# KiCad board kicad.kicad_pcb (continued)
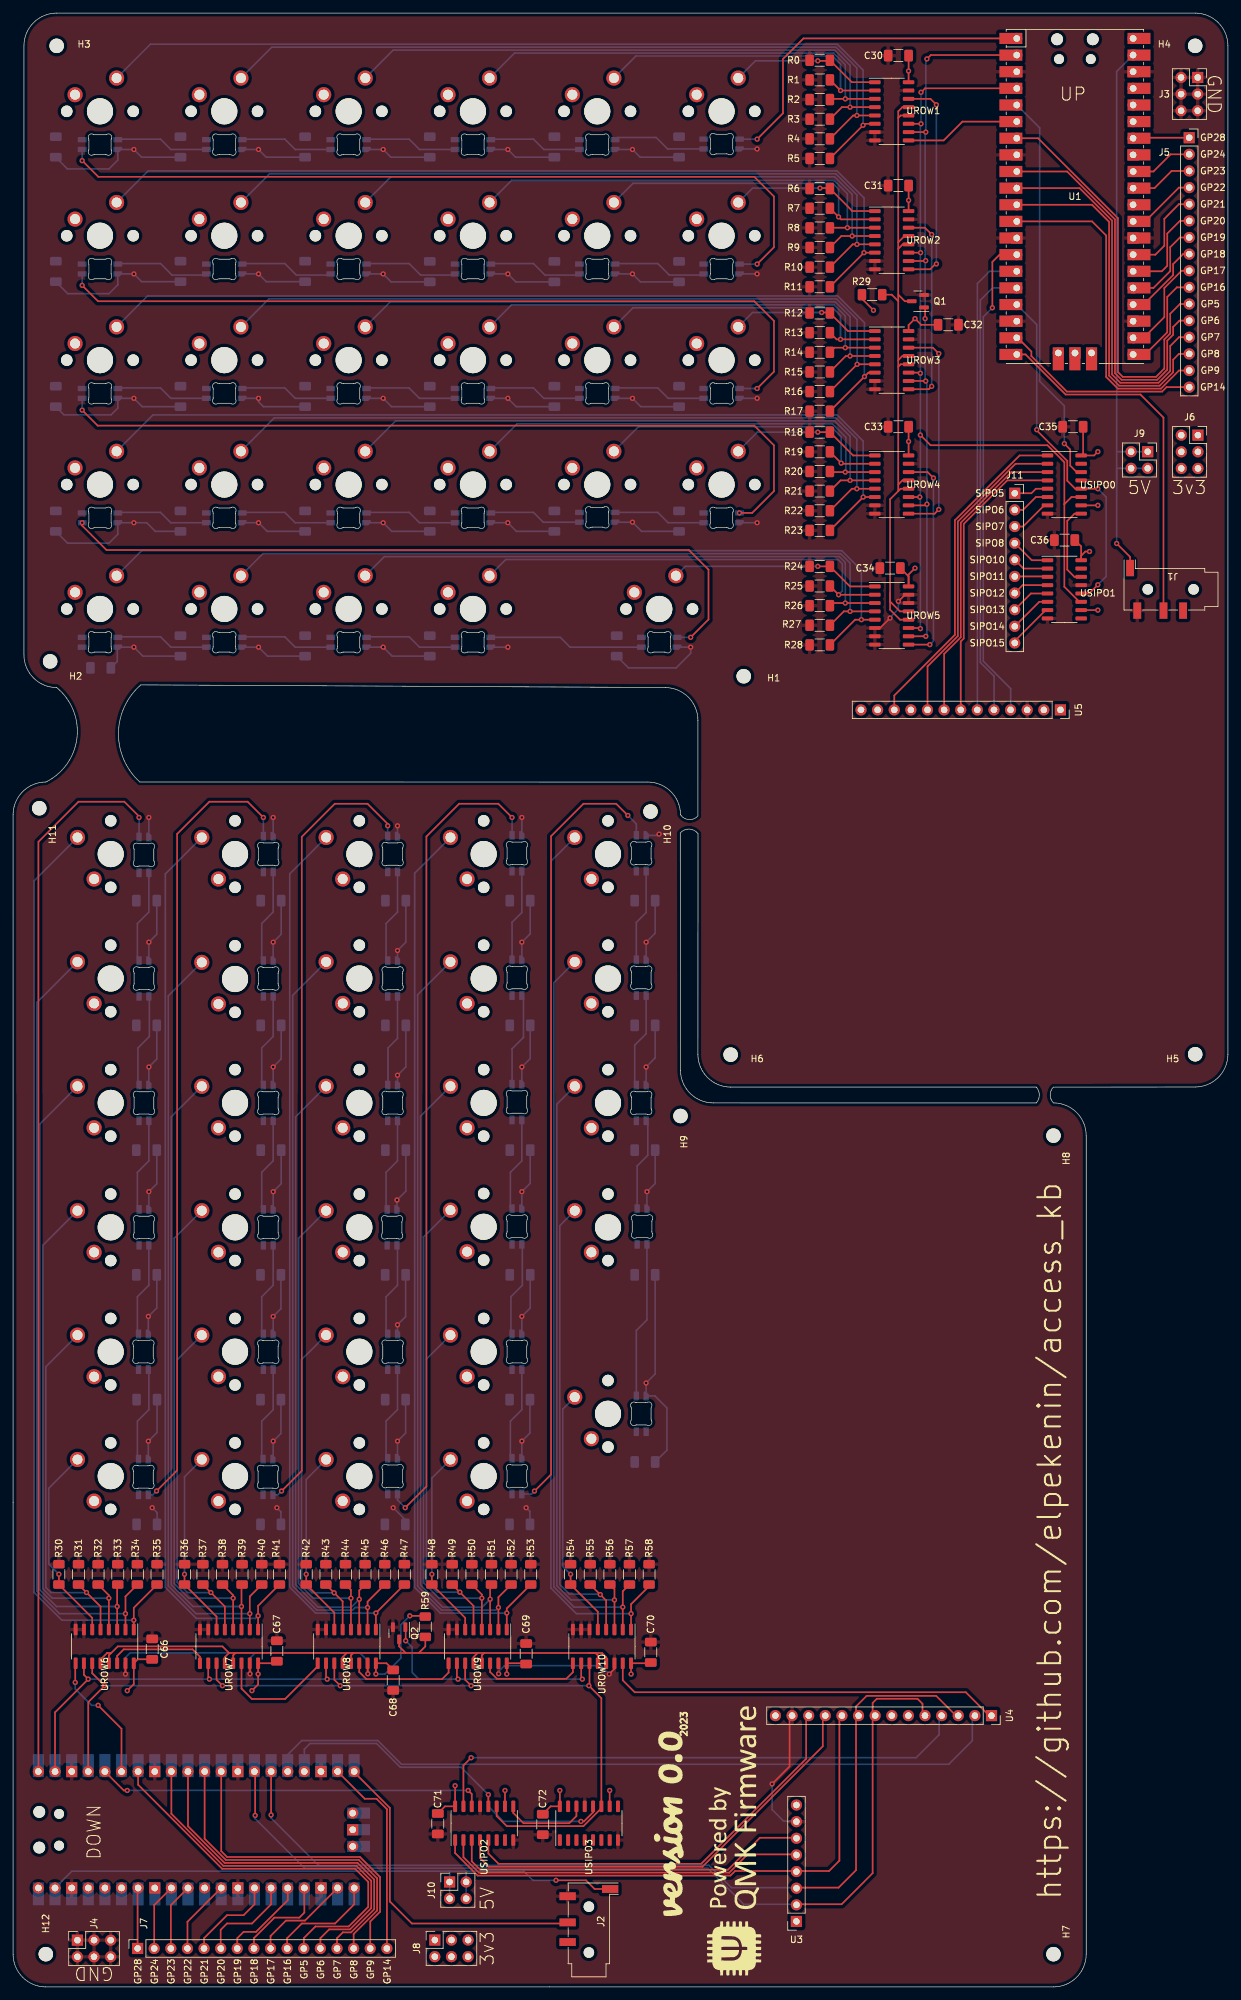
[diagram p0: board, top side]
## Placement (name value [footprint] x y rotation side) (continued)
UROW9  MC74HC589ADR2G  [SO-16_3.9x9.9mm_P1.27mm]  71 52 270 top
UROW10  MC74HC589ADR2G  [SO-16_3.9x9.9mm_P1.27mm]  90 52 270 top
USIPO0  74HC595  [SO-16_3.9x9.9mm_P1.27mm]  160.66 229.43 0 top
USIPO1  74HC595  [SO-16_3.9x9.9mm_P1.27mm]  160.66 213.43 0 top
USIPO2  74HC595  [SO-16_3.9x9.9mm_P1.27mm]  72 25 90 top
USIPO3  74HC595  [SO-16_3.9x9.9mm_P1.27mm]  88 25 90 top

## Library data of the parts
LED0-LED57 = -: Field4: 1
U1 = -: Field4: GND; Field5: GP10; Field6: GP13; Field7: GND; Field8: RUN; Field9: GP28; Field10: GP20; Field11: 3V3; Field12: GP22; Field13: GP21; Field14: ADC_VREF; Field15: GP8; Field16: GP11; Field17: GND; Field18: GP18; Field19: SWCLK; Field20: VSYS; Field21: GP5; Field22: GP3; Field23: SWDIO; Field24: GND; Field25: GP27; Field26: GP19; Field27: 3V3_EN; Field28: AGND; Field29: GP6; Field30: GP4; Field31: GND; Field32: GND; Field33: GP12; Field34: GP0; Field35: GP16; Field36: GP26; Field37: GND; Field38: GP2; Field39: GP9; Field40: GP1; Field41: VBUS; Field42: GP7; Field43: GP17; Field44: GP15; Field45: GP14; Field46: Copper Keepouts shown on Dwgs layer
U2 = -: Field4: SWDIO; Field5: GP20; Field6: GND; Field7: GP14; Field8: GP22; Field9: GP11; Field10: GP6; Field11: GND; Field12: GND; Field13: ADC_VREF; Field14: GP26; Field15: VBUS; Field16: GP27; Field17: 3V3_EN; Field18: GP17; Field19: 3V3; Field20: GP0; Field21: GP7; Field22: GND; Field23: GP2; Field24: GP4; Field25: SWCLK; Field26: GP8; Field27: RUN; Field28: GP21; Field29: GND; Field30: GP1; Field31: GP28; Field32: GP13; Field33: GND; Field34: AGND; Field35: GP18; Field36: GP12; Field37: VSYS; Field38: GP5; Field39: GP10; Field40: GP9; Field41: GP15; Field42: GP16; Field43: GP3; Field44: GND; Field45: GP19; Field46: Copper Keepouts shown on Dwgs layer

## Footprints (pads in the part's own frame, mm; a bottom-side part is the same pattern mirrored in y, then rotated)
C_1206_3216Metric_Pad1.33x1.80mm_HandSolder
  rrect 1.325x1.8 smd: 1(-1.562,0) 2(1.562,0)
Jack_3.5mm_KoreanHropartsElec_PJ-320D-4A_Horizontal
  round 1.6 hole 1.6 unplated: (-4.75,0) (2.25,0)
  rect 1.2x2.5 smd: R1(-0.15,3.25) R2(-3.15,3.25) S(4.95,-3.25) T(3.85,3.25)
LED_MX_6028R
  rrect 1.35x0.82 smd: 1(2.725,0.75) 2(2.725,-0.75) 3(-2.725,0.75) 4(-2.725,-0.75)
MountingHole_2.2mm_M2
  round 2.2 hole 2.2 unplated: (0,0)
MountingHole_2.2mm_M2#2
  round 2.2 hole 2.2 unplated: (0,-0.05)
PinSocket_1x08_P2.54mm_Vertical
  rect 1.7x1.7 hole 1: 1(0,0)
  oval 1.7x1.7 hole 1: 2(0,-2.54) 3(0,-5.08) 4(0,-7.62) 5(0,-10.16) 6(0,-12.7) 7(0,-15.24) 8(0,-17.78)
PinSocket_1x10_P2.54mm_Vertical
  rect 1.7x1.7 hole 1: 1(0,0)
  oval 1.7x1.7 hole 1: 2(0,-2.54) 3(0,-5.08) 4(0,-7.62) 5(0,-10.16) 6(0,-12.7) 7(0,-15.24) 8(0,-17.78) 9(0,-20.32) 10(0,-22.86)
PinSocket_1x13_P2.54mm_Vertical
  rect 1.7x1.7 hole 1: 1(0,0)
  oval 1.7x1.7 hole 1: 2(0,-2.54) 3(0,-5.08) 4(0,-7.62) 5(0,-10.16) 6(0,-12.7) 7(0,-15.24) 8(0,-17.78) 9(0,-20.32) 10(0,-22.86) 11(0,-25.4) 12(0,-27.94) 13(0,-30.48)
PinSocket_1x14_P2.54mm_Vertical
  rect 1.7x1.7 hole 1: 1(0,0)
  oval 1.7x1.7 hole 1: 2(0,-2.54) 3(0,-5.08) 4(0,-7.62) 5(0,-10.16) 6(0,-12.7) 7(0,-15.24) 8(0,-17.78) 9(0,-20.32) 10(0,-22.86) 11(0,-25.4) 12(0,-27.94) 13(0,-30.48) 14(0,-33.02)
PinSocket_1x16_P2.54mm_Vertical
  rect 1.7x1.7 hole 1: 1(0,0)
  oval 1.7x1.7 hole 1: 2(0,-2.54) 3(0,-5.08) 4(0,-7.62) 5(0,-10.16) 6(0,-12.7) 7(0,-15.24) 8(0,-17.78) 9(0,-20.32) 10(0,-22.86) 11(0,-25.4) 12(0,-27.94) 13(0,-30.48) 14(0,-33.02) 15(0,-35.56) 16(0,-38.1)
PinSocket_2x02_P2.54mm_Vertical
  rect 1.7x1.7 hole 1: 1(0,0)
  oval 1.7x1.7 hole 1: 2(-2.54,0) 3(0,-2.54) 4(-2.54,-2.54)
PinSocket_2x03_P2.54mm_Vertical
  rect 1.7x1.7 hole 1: 1(0,0)
  oval 1.7x1.7 hole 1: 2(-2.54,0) 3(0,-2.54) 4(-2.54,-2.54) 5(0,-5.08) 6(-2.54,-5.08)
R_1206_3216Metric_Pad1.30x1.75mm_HandSolder
  rrect 1.3x1.75 smd: 1(-1.55,0) 2(1.55,0)
RPi_Pico_SMD_TH
  oval 1.8x1.8 hole 1.8 unplated: (-2.725,24) (2.725,24)
  oval 1.5x1.5 hole 1.5 unplated: (-2.425,20.97) (2.425,20.97)
  oval 1.7x1.7 hole 1.02: 1(-8.89,24.13) 2(-8.89,21.59) 4(-8.89,16.51) 5(-8.89,13.97) 6(-8.89,11.43) 7(-8.89,8.89) 9(-8.89,3.81) 10(-8.89,1.27) 11(-8.89,-1.27) 12(-8.89,-3.81) 14(-8.89,-8.89) 15(-8.89,-11.43) 16(-8.89,-13.97) 17(-8.89,-16.51) 19(-8.89,-21.59) 20(-8.89,-24.13) 21(8.89,-24.13) 22(8.89,-21.59) 24(8.89,-16.51) 25(8.89,-13.97) 26(8.89,-11.43) 27(8.89,-8.89) 29(8.89,-3.81) 30(8.89,-1.27) 31(8.89,1.27) 32(8.89,3.81) 34(8.89,8.89) 35(8.89,11.43) 36(8.89,13.97) 37(8.89,16.51) 39(8.89,21.59) 40(8.89,24.13) 41(-2.54,-23.9) 43(2.54,-23.9)
  rect 3.5x1.7 smd: 1(-8.89,24.13) 2(-8.89,21.59) 3(-8.89,19.05) 4(-8.89,16.51) 5(-8.89,13.97) 6(-8.89,11.43) 7(-8.89,8.89) 8(-8.89,6.35) 9(-8.89,3.81) 10(-8.89,1.27) 11(-8.89,-1.27) 12(-8.89,-3.81) 13(-8.89,-6.35) 14(-8.89,-8.89) 15(-8.89,-11.43) 16(-8.89,-13.97) 17(-8.89,-16.51) 18(-8.89,-19.05) 19(-8.89,-21.59) 20(-8.89,-24.13) 21(8.89,-24.13) 22(8.89,-21.59) 23(8.89,-19.05) 24(8.89,-16.51) 25(8.89,-13.97) 26(8.89,-11.43) 27(8.89,-8.89) 28(8.89,-6.35) 29(8.89,-3.81) 30(8.89,-1.27) 31(8.89,1.27) 32(8.89,3.81) 33(8.89,6.35) 34(8.89,8.89) 35(8.89,11.43) 36(8.89,13.97) 37(8.89,16.51) 38(8.89,19.05) 39(8.89,21.59) 40(8.89,24.13)
  rect 1.7x1.7 hole 1.02: 3(-8.89,19.05) 8(-8.89,6.35) 13(-8.89,-6.35) 18(-8.89,-19.05) 23(8.89,-19.05) 28(8.89,-6.35) 33(8.89,6.35) 38(8.89,19.05) 42(0,-23.9)
  rect 1.7x3.5 smd: 41(-2.54,-23.9) 42(0,-23.9) 43(2.54,-23.9)
SO-16_3.9x9.9mm_P1.27mm
  rrect 1.75x0.6 smd: 1(-2.575,4.445) 2(-2.575,3.175) 3(-2.575,1.905) 4(-2.575,0.635) 5(-2.575,-0.635) 6(-2.575,-1.905) 7(-2.575,-3.175) 8(-2.575,-4.445) 9(2.575,-4.445) 10(2.575,-3.175) 11(2.575,-1.905) 12(2.575,-0.635) 13(2.575,0.635) 14(2.575,1.905) 15(2.575,3.175) 16(2.575,4.445)
SOT-23
  rrect 1.475x0.6 smd: 1(-0.938,0.95) 2(-0.938,-0.95) 3(0.938,0)
SW_MX_1u
  round 1.75 hole 1.75 unplated: (-5.08,0) (5.08,0)
  round 3.988 hole 3.988 unplated: (0,0)
  round 2.3 hole 1.524: 1(-3.81,2.54) 2(2.54,5.08)

## Nets
+3V3: C1.2 C2.2 C3.2 C4.2 C5.2 C6.2 C7.2 C8.2 C9.2 C10.2 C11.2 C12.2 C13.2 C14.2 C15.2 C16.2 C17.2 C18.2 C19.2 C20.2 C21.2 C22.2 C23.2 C24.2 C25.2 C26.2 C27.2 C28.2 C29.2 C30.2 C31.2 C32.2 C33.2 C34.2 C35.2 C36.2 C37.2 C38.2 C39.2 C40.2 C41.2 C42.2 C43.2 C44.2 C45.2 C46.2 C47.2 C48.2 C49.2 C50.2 C51.2 C52.2 C53.2 C54.2 C55.2 C56.2 C57.2 C58.2 C59.2 C60.2 C61.2 C62.2 C63.2 C64.2 C65.2 C66.2 C67.2 C68.2 C69.2 C70.2 C71.2 C72.2 J6.1 J6.2 J6.3 J6.4 J6.5 J6.6 J8.1 J8.2 J8.3 J8.4 J8.5 J8.6 LED0.1 LED1.1 LED2.1 LED3.1 LED4.1 LED5.1 LED6.1 LED7.1 LED8.1 LED9.1 LED10.1 LED11.1 LED12.1 LED13.1 LED14.1 LED15.1 LED16.1 LED17.1 LED18.1 LED19.1 LED20.1 LED21.1 LED22.1 LED23.1 LED24.1 LED25.1 LED26.1 LED27.1 LED28.1 LED29.1 LED30.1 LED31.1 LED32.1 LED33.1 LED34.1 LED35.1 LED36.1 LED37.1 LED38.1 LED39.1 LED40.1 LED41.1 LED42.1 LED43.1 LED44.1 LED45.1 LED46.1 LED47.1 LED48.1 LED49.1 LED50.1 LED51.1 LED52.1 LED53.1 LED54.1 LED55.1 LED56.1 LED57.1 R29.1 R59.1 SW0.1 SW1.1 SW2.1 SW3.1 SW4.1 SW5.1 SW6.1 SW7.1 SW8.1 SW9.1 SW10.1 SW11.1 SW12.1 SW13.1 SW14.1 SW15.1 SW16.1 SW17.1 SW18.1 SW19.1 SW20.1 SW21.1 SW22.1 SW23.1 SW24.1 SW25.1 SW26.1 SW27.1 SW28.1 SW29.1 SW30.1 SW31.1 SW32.1 SW33.1 SW34.1 SW35.1 SW36.1 SW37.1 SW38.1 SW39.1 SW40.1 SW41.1 SW42.1 SW43.1 SW44.1 SW45.1 SW46.1 SW47.1 SW48.1 SW49.1 SW50.1 SW51.1 SW52.1 SW53.1 SW54.1 SW55.1 SW56.1 SW57.1 U1.36 U2.36 U3.1 U3.8 U4.7 U4.14 U5.1 UROW1.16 UROW2.16 UROW3.16 UROW4.16 UROW5.16 UROW6.16 UROW7.16 UROW8.16 UROW9.16 UROW10.16 USIPO0.10 USIPO0.16 USIPO1.10 USIPO1.16 USIPO2.10 USIPO2.16 USIPO3.10 USIPO3.16
GND: C1.1 C2.1 C3.1 C4.1 C5.1 C6.1 C7.1 C8.1 C9.1 C10.1 C11.1 C12.1 C13.1 C14.1 C15.1 C16.1 C17.1 C18.1 C19.1 C20.1 C21.1 C22.1 C23.1 C24.1 C25.1 C26.1 C27.1 C28.1 C29.1 C30.1 C31.1 C32.1 C33.1 C34.1 C35.1 C36.1 C37.1 C38.1 C39.1 C40.1 C41.1 C42.1 C43.1 C44.1 C45.1 C46.1 C47.1 C48.1 C49.1 C50.1 C51.1 C52.1 C53.1 C54.1 C55.1 C56.1 C57.1 C58.1 C59.1 C60.1 C61.1 C62.1 C63.1 C64.1 C65.1 C66.1 C67.1 C68.1 C69.1 C70.1 C71.1 C72.1 J1.T J2.T J3.1 J3.2 J3.3 J3.4 J3.5 J3.6 J4.1 J4.2 J4.3 J4.4 J4.5 J4.6 LED0.4 LED1.4 LED2.4 LED3.4 LED4.4 LED5.4 LED6.4 LED7.4 LED8.4 LED9.4 LED10.4 LED11.4 LED12.4 LED13.4 LED14.4 LED15.4 LED16.4 LED17.4 LED18.4 LED19.4 LED20.4 LED21.4 LED22.4 LED23.4 LED24.4 LED25.4 LED26.4 LED27.4 LED28.4 LED29.4 LED30.4 LED31.4 LED32.4 LED33.4 LED34.4 LED35.4 LED36.4 LED37.4 LED38.4 LED39.4 LED40.4 LED41.4 LED42.4 LED43.4 LED44.4 LED45.4 LED46.4 LED47.4 LED48.4 LED49.4 LED50.4 LED51.4 LED52.4 LED53.4 LED54.4 LED55.4 LED56.4 LED57.4 Q1.2 Q2.2 R0.1 R1.1 R2.1 R3.1 R4.1 R5.1 R6.1 R7.1 R8.1 R9.1 R10.1 R11.1 R12.1 R13.1 R14.1 R15.1 R16.1 R17.1 R18.1 R19.1 R20.1 R21.1 R22.1 R23.1 R24.1 R25.1 R26.1 R27.1 R28.1 R30.1 R31.1 R32.1 R33.1 R34.1 R35.1 R36.1 R37.1 R38.1 R39.1 R40.1 R41.1 R42.1 R43.1 R44.1 R45.1 R46.1 R47.1 R48.1 R49.1 R50.1 R51.1 R52.1 R53.1 R54.1 R55.1 R56.1 R57.1 R58.1 U1.3 U1.8 U1.13 U1.18 U1.23 U1.28 U1.38 U2.3 U2.8 U2.13 U2.18 U2.23 U2.28 U2.38 U3.7 U4.13 U5.3 UROW1.7 UROW1.8 UROW1.15 UROW2.7 UROW2.8 UROW2.15 UROW3.7 UROW3.8 UROW3.15 UROW4.7 UROW4.8 UROW4.15 UROW5.6 UROW5.7 UROW5.8 UROW5.14 UROW5.15 UROW6.7 UROW6.8 UROW6.15 UROW7.7 UROW7.8 UROW7.15 UROW8.7 UROW8.8 UROW8.15 UROW9.7 UROW9.8 UROW9.15 UROW10.6 UROW10.7 UROW10.8 UROW10.14 USIPO0.8 USIPO0.13 USIPO1.8 USIPO1.13 USIPO2.8 USIPO2.13 USIPO3.8 USIPO3.13
9163_CS: U3.6 USIPO2.3
9163_RST: U3.5 USIPO2.2
9341_CS: U4.12 USIPO2.5
9341_IRQ: U4.1 UROW10.15
9341_RST: U4.11 USIPO2.4
9341_TOUCH_CS: U4.4 USIPO2.15
91874_CS: U5.7 USIPO0.4
91874_RST: U5.11 USIPO0.1
91874_SRAM_CS: U5.9 USIPO0.2
COMMS_L: J1.R1 U1.20
COMMS_R: J2.R1 U2.20
GPIO5_L: J5.11 U1.7
GPIO5_R: J7.11 U2.7
GPIO6_L: J5.12 U1.9
GPIO6_R: J7.12 U2.9
GPIO7_L: J5.13 U1.10
GPIO7_R: J7.13 U2.10
GPIO8_L: J5.14 U1.11
GPIO8_R: J7.14 U2.11
GPIO9_L: J5.15 U1.12
GPIO9_R: J7.15 U2.12
GPIO14_L: J5.16 U1.19
GPIO14_R: J7.16 U2.19
GPIO16_L: J5.10 U1.21
GPIO16_R: J7.10 U2.21
GPIO17_L: J5.9 U1.22
GPIO17_R: J7.9 U2.22
GPIO18_L: J5.8 U1.24
GPIO18_R: J7.8 U2.24
GPIO19_L: J5.7 U1.25
GPIO19_R: J7.7 U2.25
GPIO20_L: J5.6 U1.26
GPIO20_R: J7.6 U2.26
GPIO21_L: J5.5 U1.27
GPIO21_R: J7.5 U2.27
GPIO22_L: J5.4 U1.29
GPIO22_R: J7.4 U2.29
GPIO23_L: J5.3 U1.31
GPIO23_R: J7.3 U2.31
GPIO24_L: J5.2 U1.32
GPIO24_R: J7.2 U2.32
GPIO28_L: J5.1 U1.34
GPIO28_R: J7.1 U2.34
MISO_L: U1.16 U5.5
MISO_R: U2.16 U4.2
MOSI_L: U1.15 U5.6
MOSI_R: U2.15 U3.3 U4.3 U4.9
PISO_CS_L: Q1.1 U1.2 UROW1.10 UROW2.10 UROW3.10 UROW4.10 UROW5.10
PISO_CS_R: Q2.1 U2.2 UROW6.10 UROW7.10 UROW8.10 UROW9.10 UROW10.10
PISO_LATCH_L: Q1.3 R29.2 UROW1.12 UROW1.13 UROW2.12 UROW2.13 UROW3.12 UROW3.13 UROW4.12 UROW4.13 UROW5.12 UROW5.13
PISO_LATCH_R: Q2.3 R59.2 UROW6.12 UROW6.13 UROW7.12 UROW7.13 UROW8.12 UROW8.13 UROW9.12 UROW9.13 UROW10.12 UROW10.13
REGISTER_MISO_L: U1.6 UROW1.9
REGISTER_MISO_R: U2.6 UROW6.9
REGISTER_MOSI_L: U1.5 USIPO0.14
REGISTER_MOSI_R: U2.5 USIPO2.14
REGISTER_SCK_L: U1.4 UROW1.11 UROW2.11 UROW3.11 UROW4.11 UROW5.11 USIPO0.11 USIPO1.11
REGISTER_SCK_R: U2.4 UROW6.11 UROW7.11 UROW8.11 UROW9.11 UROW10.11 USIPO2.11 USIPO3.11
RGB7_OUT_L: LED7.2 LED8.3
RGB7_OUT_R: LED36.2 LED37.3
RGB15_OUT_L: LED15.2 LED16.3
RGB15_OUT_R: LED44.2 LED45.3
RGB23_OUT_L: LED23.2 LED24.3
RGB23_OUT_R: LED52.2 LED53.3
RGB_DATA_L: LED0.3 U1.1
RGB_DATA_R: LED29.3 U2.1
ROW2_OUT_L: UROW1.14 UROW2.9
ROW2_OUT_R: UROW6.14 UROW7.9
ROW3_OUT_L: UROW2.14 UROW3.9
ROW3_OUT_R: UROW7.14 UROW8.9
ROW4_OUT_L: UROW3.14 UROW4.9
ROW4_OUT_R: UROW8.14 UROW9.9
ROW5_OUT_L: UROW4.14 UROW5.9
ROW5_OUT_R: UROW9.14 UROW10.9
SCK_L: U1.14 U5.4
SCK_R: U2.14 U3.2 U4.5 U4.8
SCREEN_DC_L: U5.8 USIPO0.3
SCREEN_DC_R: U3.4 U4.10 USIPO2.1
SIPO_1: J11.1 USIPO0.5
SIPO_2: J11.2 USIPO0.6
SIPO_3: J11.3 USIPO0.7
SIPO_4: J11.4 USIPO1.1
SIPO_5: J11.5 USIPO1.2
SIPO_6: J11.6 USIPO1.3
SIPO_7: J11.7 USIPO1.4
SIPO_8: J11.8 USIPO1.5
SIPO_9: J11.9 USIPO1.6
SIPO_10: J11.10 USIPO1.7
SIPO_CS_L: U1.17 USIPO0.12 USIPO1.12
SIPO_CS_R: U2.17 USIPO2.12 USIPO3.12
VSYS_L: J1.S J9.1 J9.2 J9.3 J9.4 U1.39
VSYS_R: J2.S J10.1 J10.2 J10.3 J10.4 U2.39
Net-(LED0-Pad2): LED0.2 LED1.3
Net-(LED1-Pad2): LED1.2 LED2.3
Net-(LED2-Pad2): LED2.2 LED3.3
Net-(LED3-Pad2): LED3.2 LED4.3
Net-(LED4-Pad2): LED4.2 LED5.3
Net-(LED5-Pad2): LED5.2 LED6.3
Net-(LED6-Pad2): LED6.2 LED7.3
Net-(LED8-Pad2): LED8.2 LED9.3
Net-(LED10-Pad2): LED10.2 LED11.3
Net-(LED10-Pad3): LED9.2 LED10.3
Net-(LED11-Pad2): LED11.2 LED12.3
Net-(LED12-Pad2): LED12.2 LED13.3
Net-(LED13-Pad2): LED13.2 LED14.3
Net-(LED14-Pad2): LED14.2 LED15.3
Net-(LED16-Pad2): LED16.2 LED17.3
Net-(LED17-Pad2): LED17.2 LED18.3
Net-(LED18-Pad2): LED18.2 LED19.3
Net-(LED19-Pad2): LED19.2 LED20.3
Net-(LED20-Pad2): LED20.2 LED21.3
Net-(LED21-Pad2): LED21.2 LED22.3
Net-(LED22-Pad2): LED22.2 LED23.3
Net-(LED24-Pad2): LED24.2 LED25.3
Net-(LED25-Pad2): LED25.2 LED26.3
Net-(LED26-Pad2): LED26.2 LED27.3
Net-(LED27-Pad2): LED27.2 LED28.3
Net-(LED29-Pad2): LED29.2 LED30.3
Net-(LED30-Pad2): LED30.2 LED31.3
Net-(LED31-Pad2): LED31.2 LED32.3
Net-(LED32-Pad2): LED32.2 LED33.3
Net-(LED33-Pad2): LED33.2 LED34.3
Net-(LED34-Pad2): LED34.2 LED35.3
Net-(LED35-Pad2): LED35.2 LED36.3
Net-(LED37-Pad2): LED37.2 LED38.3
Net-(LED38-Pad2): LED38.2 LED39.3
Net-(LED39-Pad2): LED39.2 LED40.3
Net-(LED40-Pad2): LED40.2 LED41.3
Net-(LED41-Pad2): LED41.2 LED42.3
Net-(LED42-Pad2): LED42.2 LED43.3
Net-(LED43-Pad2): LED43.2 LED44.3
Net-(LED45-Pad2): LED45.2 LED46.3
Net-(LED46-Pad2): LED46.2 LED47.3
Net-(LED47-Pad2): LED47.2 LED48.3
Net-(LED48-Pad2): LED48.2 LED49.3
Net-(LED49-Pad2): LED49.2 LED50.3
Net-(LED50-Pad2): LED50.2 LED51.3
Net-(LED51-Pad2): LED51.2 LED52.3
Net-(LED53-Pad2): LED53.2 LED54.3
Net-(LED54-Pad2): LED54.2 LED55.3
Net-(LED55-Pad2): LED55.2 LED56.3
Net-(LED56-Pad2): LED56.2 LED57.3
Net-(R0-Pad2): R0.2 SW0.2 UROW1.1
Net-(R1-Pad2): R1.2 SW1.2 UROW1.2
Net-(R2-Pad2): R2.2 SW2.2 UROW1.3
Net-(R3-Pad2): R3.2 SW3.2 UROW1.4
Net-(R4-Pad2): R4.2 SW4.2 UROW1.5
Net-(R5-Pad2): R5.2 SW5.2 UROW1.6
Net-(R6-Pad2): R6.2 SW6.2 UROW2.1
Net-(R7-Pad2): R7.2 SW7.2 UROW2.2
Net-(R8-Pad2): R8.2 SW8.2 UROW2.3
Net-(R9-Pad2): R9.2 SW9.2 UROW2.4
Net-(R10-Pad2): R10.2 SW10.2 UROW2.5
Net-(R11-Pad2): R11.2 SW11.2 UROW2.6
Net-(R12-Pad2): R12.2 SW12.2 UROW3.1
Net-(R13-Pad2): R13.2 SW13.2 UROW3.2
Net-(R14-Pad2): R14.2 SW14.2 UROW3.3
Net-(R15-Pad2): R15.2 SW15.2 UROW3.4
Net-(R16-Pad2): R16.2 SW16.2 UROW3.5
Net-(R17-Pad2): R17.2 SW17.2 UROW3.6
Net-(R18-Pad2): R18.2 SW18.2 UROW4.1
Net-(R19-Pad2): R19.2 SW19.2 UROW4.2
Net-(R20-Pad2): R20.2 SW20.2 UROW4.3
Net-(R21-Pad2): R21.2 SW21.2 UROW4.4
Net-(R22-Pad2): R22.2 SW22.2 UROW4.5
Net-(R23-Pad2): R23.2 SW23.2 UROW4.6
Net-(R24-Pad2): R24.2 SW24.2 UROW5.1
Net-(R25-Pad2): R25.2 SW25.2 UROW5.2
Net-(R26-Pad2): R26.2 SW26.2 UROW5.3
Net-(R27-Pad2): R27.2 SW27.2 UROW5.4
Net-(R28-Pad2): R28.2 SW28.2 UROW5.5
Net-(R30-Pad2): R30.2 SW29.2 UROW6.6
Net-(R31-Pad2): R31.2 SW30.2 UROW6.5
Net-(R32-Pad2): R32.2 SW31.2 UROW6.4
Net-(R33-Pad2): R33.2 SW32.2 UROW6.3
Net-(R34-Pad2): R34.2 SW33.2 UROW6.2
Net-(R35-Pad2): R35.2 SW34.2 UROW6.1
Net-(R36-Pad2): R36.2 SW35.2 UROW7.6
Net-(R37-Pad2): R37.2 SW36.2 UROW7.5
Net-(R38-Pad2): R38.2 SW37.2 UROW7.4
Net-(R39-Pad2): R39.2 SW38.2 UROW7.3
Net-(R40-Pad2): R40.2 SW39.2 UROW7.2
Net-(R41-Pad2): R41.2 SW40.2 UROW7.1
Net-(R42-Pad2): R42.2 SW41.2 UROW8.6
Net-(R43-Pad2): R43.2 SW42.2 UROW8.5
Net-(R44-Pad2): R44.2 SW43.2 UROW8.4
Net-(R45-Pad2): R45.2 SW44.2 UROW8.3
Net-(R46-Pad2): R46.2 SW45.2 UROW8.2
Net-(R47-Pad2): R47.2 SW46.2 UROW8.1
Net-(R48-Pad2): R48.2 SW47.2 UROW9.6
Net-(R49-Pad2): R49.2 SW48.2 UROW9.5
Net-(R50-Pad2): R50.2 SW49.2 UROW9.4
Net-(R51-Pad2): R51.2 SW50.2 UROW9.3
Net-(R52-Pad2): R52.2 SW51.2 UROW9.2
Net-(R53-Pad2): R53.2 SW52.2 UROW9.1
Net-(R54-Pad2): R54.2 SW53.2 UROW10.5
Net-(R55-Pad2): R55.2 SW54.2 UROW10.4
Net-(R56-Pad2): R56.2 SW55.2 UROW10.3
Net-(R57-Pad2): R57.2 SW56.2 UROW10.2
Net-(R58-Pad2): R58.2 SW57.2 UROW10.1
Net-(USIPO0-Pad9): USIPO0.9 USIPO1.14
Net-(USIPO2-Pad9): USIPO2.9 USIPO3.14

Pads without a net: J1 R2; J2 R2; LED28 2; LED57 2; U1 30 33 35 37 40 41 42 43; U2 30 33 35 37 40 41 42 43; U4 6; U5 2 10 12 13; USIPO0 15; USIPO1 9 15; USIPO2 6 7; USIPO3 1 2 3 4 5 6 7 9 15

## Via types
v1: diameter 0.8, hole 0.4, Top to Bottom, 216 vias

## Routing (per net, layer and track width the routed paths; a pad name or vN(x,y) marks a point on that pad's centre or on a via; arc(x,y) is an arc through that point)
+3V3: length 103.6
  Top w0.25: 136.86,238.25 v1(136.86,236.01) UROW4.16 ; UROW3.16 136.86,253.79 v1(137.84,254.77) 138.78,253.83 C32.2 ; UROW1.16 v1(136.86,292.59) 136.86,292.59 136.86,294.14 ; USIPO3.10 v1(91.18,30) ; USIPO1.10 v1(165.78,210.26) ; 40,49.43 37.45,49.43 v1(37.45,47.78) 37.45,46.19 v1(36.5,45.24) ; v1(60.63,56.67) 62.88,56.67 ; v1(75.45,47.78) 75.45,49.43 78.3,49.43 ; v1(164.51,219.21) 163.88,219.21 163.24,218.57 USIPO1.16 163.24,219.98 C36.2 ; C34.2 136.86,215.41 UROW5.16 136.86,215.69 v1(137.84,216.67) ; C35.2 163.53,234.17 USIPO0.16 165.21,233.88 v1(165.78,234.45) ; v1(75.18,30) USIPO2.10 ; v1(17.45,45.24) 18.45,46.24 18.45,49.43 19.05,50.03 C66.2 ; 129.73,257.8 v1(131.49,256.04) ; C31.2 v1(136.86,272.84) 136.86,272.84 UROW2.16 ; v1(83.56,30) 83.56,27.58 82.15,27.58 C72.2 ; C71.2 66,27.58 67.56,27.58 v1(67.56,30.72) ; v1(94.45,47.78) 94.45,49.43 96.86,49.43 ; C68.2 57.08,49.43 55.45,49.43 v1(55.45,47.78) ; v1(165.78,226.26) USIPO0.10
  Bottom w0.25: v1(60.63,56.67) 59.28,55.32 59.28,50.24 56.82,47.78 v1(55.45,47.78)
GND: length 690.7
  Top w0.25: v1(54.21,47.81) 54.21,49.39 ; 91.91,49.43 91.91,48.58 v1(91.11,47.78) ; v1(36.21,47.81) 36.21,49.39 ; 131.71,207.53 132.51,207.53 v1(134.03,209.05) ; 118.67,41.46 118.67,33.67 v1(116,31) ; v1(135.3,211.59) 136.32,212.61 ; UROW6.15 v1(17.18,47.78)
  Bottom w0.25: LED20.4 v1(75.61,223.6) 76.93,222.28 C20.1 ; v1(36.21,47.81) 36.21,50.21 37,51 ; C10.1 38.69,260.42 v1(37.51,261.6) LED10.4 ; LED6.4 v1(113.71,261.6) ; LED15.4 v1(56.56,242.6) 57.83,241.33 C15.1 ; LED51.4 v1(77.75,102.39) 79.04,103.68 79.04,108.74 ; C49.1 60.02,159.54 v1(58.75,158.27) LED42.4 ; C19.1 96.06,222.28 v1(94.66,223.68) LED19.4 ; LED28.4 v1(18.46,204.6) 19.83,203.23 C28.1 ; C38.1 21.96,141.7 v1(20.75,140.49) LED31.4 ; 37,51 17.88,51 17.18,50.3 v1(17.18,47.78) ; 37,51 53,51 54.21,49.79 v1(54.21,47.81) ; 119.82,25.32 117.75,25.32 116,27.07 v1(116,31) ; C21.1 57.88,222.28 v1(56.56,223.6) LED21.4 ; C1.1 95.83,279.43 v1(94.66,280.6) LED1.4 ; C25.1 94.06,201.43 101.33,201.43 103.55,203.65 v1(103.55,204.6) LED24.4 ; C3.1 57.73,279.43 v1(56.56,280.6) LED3.4 ; 6.53,279.4 8.3,277.63 14.65,277.63 16.01,278.99 LED5.4 v1(18.46,280.6) 19.63,279.43 C5.1 ; 96.75,137.73 v1(96.75,140.49) 98.12,141.86 C62.1 ; C7.1 95.88,260.38 v1(94.66,261.6) LED7.4 ; C8.1 76.83,260.38 v1(75.61,261.6) LED8.4 ; C16.1 38.25,241.33 37.51,242.07 v1(37.51,242.6) LED16.4 ; 20.75,118.73 v1(20.75,121.44) 21.96,122.65 C39.1 ; C56.1 79.04,141.78 v1(77.75,140.49) LED49.4 ; v1(21.26,73.18) 22,72.44 C42.1 ; C13.1 95.93,241.33 v1(94.66,242.6) LED13.4 ; C44.1 40.97,141.71 v1(39.75,140.49) LED37.4 ; LED14.4 v1(75.61,242.6) 76.88,241.33 C14.1 ; C55.1 79.04,160.83 v1(77.75,159.54) LED48.4 ; 58.75,80.73 v1(58.75,83.34) 59.99,84.58 C53.1 ; v1(113.71,242.6) LED12.4 ; v1(91.11,47.78) 89.84,49.05 75.09,49.05 74.21,48.17 v1(74.21,47.81) ; LED53.4 98.53,175.85 v1(98.73,176.05) ; 39.75,80.65 v1(39.75,83.34) 40.94,84.53 40.94,89.69 ; LED2.4 v1(75.61,280.6) 76.78,279.43 C2.1 ; v1(134.03,209.05) 134.03,209.16 135.3,210.43 v1(135.3,211.59) ; v1(78.41,73.18) 79,72.59 C60.1 ; LED0.4 v1(113.71,280.68) ; C40.1 21.96,103.68 v1(20.67,102.39) LED33.4 ; LED26.4 v1(56.56,204.6) 57.93,203.23 C26.1 ; LED52.4 v1(77.75,83.34) 79,84.59 C59.1 ; LED54.4 v1(96.75,159.54) 98.12,160.91 C61.1 ; C29.1 15.92,202.41 15.92,204.52 ; LED34.4 v1(20.67,83.34) 22,84.67 C41.1 ; LED38.4 v1(39.75,121.44) 40.97,122.66 C45.1 ; LED30.4 v1(20.75,159.54) 21.96,160.75 C37.1 ; v1(75.61,204.6) LED25.4 ; C11.1 19.64,260.42 v1(18.46,261.6) LED11.4 16.01,259.94 14.65,258.58 8.37,258.58 C12.1 ; v1(77.75,178.59) LED47.4 ; C23.1 21.74,222.28 20.42,223.6 v1(18.46,223.6) LED23.4 16.01,221.84 14.65,220.48 8.33,220.48 C24.1 ; C64.1 98.12,93.6 v1(96.75,92.23) LED57.4 98.1,90.25 99.92,88.42 99.92,81.97 C65.1 ; C50.1 60.02,140.49 v1(58.75,139.22) LED43.4 ; 40.94,108.74 40.94,103.58 v1(39.75,102.39) LED39.4 ; LED50.4 v1(77.75,121.44) 79.04,122.73 C57.1 ; v1(39.75,178.59) LED35.4 ; LED36.4 v1(39.75,159.54) 40.97,160.76 C43.1 ; 40.94,70.64 40.94,72.56 v1(40.31,73.18) ; 96.88,118.85 v1(96.88,121.44) 98.12,122.69 C63.1 ; C27.1 38.88,203.23 v1(37.51,204.6) LED27.4 ; v1(58.75,177.32) LED41.4 ; C9.1 57.78,260.38 v1(56.56,261.6) LED9.4 ; v1(20.75,178.59) LED29.4 ; LED44.4 v1(58.67,120.17) 60.02,121.52 C51.1 ; C52.1 59.99,102.36 v1(58.75,101.12) LED45.4 ; 59.95,71.32 v1(58.09,73.18) ; v1(113.71,223.6) LED18.4 ; LED22.4 v1(37.51,223.6) 38.83,222.28 C22.1 ; LED4.4 v1(37.51,280.6) 38.68,279.43 C4.1 ; C17.1 19.73,241.33 v1(18.46,242.6) LED17.4 16.01,241.11 14.97,240.08 7.79,240.08 C18.1
9163_CS: length 55.5
  Top w0.25: 119.82,22.78 114.14,22.78 109.26,17.9 71.37,17.9 70.1,19.18 70.1,22.43
9163_RST: length 55.7
  Top w0.25: 119.82,20.24 112.24,20.24 109.45,17.45 71.19,17.45 68.83,19.81 USIPO2.2
9341_CS: length 64.5
  Top w0.25: 121.2,41.46 121.2,34.84 105.16,18.8 74.2,18.8 72.64,20.37 72.64,22.43
9341_IRQ: length 60.8
  Top w0.25: UROW10.15 93.18,46.83 95,45 145.6,45 149.14,41.46
9341_RST: length 68
  Top w0.25: USIPO2.4 71.37,19.69 72.7,18.35 105.35,18.35 123.75,36.75 123.75,41.46
9341_TOUCH_CS: length 83.8
  Top w0.25: v1(70,35) 68.83,33.83 USIPO2.15
  Bottom w0.25: 141.53,41.46 141.53,38.53 138,35 v1(70,35)
91874_CS: length 43.9
  Top w0.25: USIPO0.4 151.93,230.07 145.29,223.42 145.29,205.93 144.83,205.47 144.83,195.92 145.29,195.46
91874_RST: length 51.1
  Top w0.25: USIPO0.1 153.83,233.88 143.94,223.98 143.94,206.49 134.68,197.23 134.68,195.01
91874_SRAM_CS: length 48.1
  Top w0.25: 139.76,195.01 139.76,201.67 144.39,206.3 144.39,223.79 153.2,232.61 USIPO0.2
COMMS_L: length 55.9
  Top w0.25: J1.R1 175.81,239.66 172.29,243.18 160.86,243.18 154.74,249.3 U1.20
COMMS_R: length 50.6
  Top w0.25: 52.13,32.79 57.58,27.34 57.58,13.05 60.95,9.68 84.76,9.68
GPIO5_L: length 64.2
  Top w0.25: J5.11 178.33,257 176.84,255.52 176.84,252.49 175.94,251.59 175.94,247.15 174.67,245.88 169.59,245.88 168.85,246.62 168.85,270.12 156.65,282.32 U1.7
GPIO5_R: length 60.5
  Top w0.25: J7.11 44.43,7.45 46.21,9.23 51.29,9.23 54.28,12.22 54.28,16.03 52.27,18.04 31.95,18.04 19.11,30.88 U2.7
GPIO6_L: length 60.3
  Top w0.25: J5.12 178.25,254.46 177.29,253.5 177.29,252.31 176.39,251.41 176.39,246.96 174.86,245.43 169.4,245.43 168.4,246.43 168.4,269.93 161.09,277.24 U1.9
GPIO6_R: length 56.6
  Top w0.25: U2.9 24.19,26.44 32.14,18.49 52.46,18.49 54.73,16.22 54.73,12.03 51.48,8.78 48.3,8.78 46.97,7.45 J7.12
GPIO7_L: length 57.5
  Top w0.25: U1.10 162.99,274.7 167.95,269.74 167.95,246.25 169.22,244.98 175.04,244.98 176.84,246.78 176.84,250.59 178.17,251.92 J5.13
GPIO7_R: length 53.8
  Top w0.25: J7.13 49.51,7.45 50.39,8.33 51.66,8.33 55.18,11.85 55.18,16.4 52.64,18.94 32.32,18.94 26.73,24.53 U2.10
GPIO8_L: length 54.5
  Top w0.25: 179.52,249.38 178.17,249.38 177.29,248.5 177.29,246.59 175.23,244.53 169.03,244.53 167.5,246.06 167.5,269.56 164.9,272.16 U1.11
GPIO8_R: length 51.3
  Top w0.25: U2.11 29.27,22.63 32.51,19.39 52.83,19.39 55.63,16.59 55.63,11.66 52.05,8.08 J7.14
GPIO9_L: length 50.7
  Top w0.25: J5.15 178.18,246.84 175.42,244.08 168.84,244.08 167.05,245.87 167.05,267.47 164.9,269.62 U1.12
GPIO9_R: length 49.6
  Top w0.25: J7.15 54.59,9.98 56.08,11.47 56.08,16.78 53.02,19.84 32.7,19.84 31.81,20.73 U2.12
GPIO14_L: length 30.3
  Top w0.25: 153.53,251.84 155.62,249.75 155.62,249.06 161.05,243.63 175.6,243.63 176.27,244.3 J5.16
GPIO14_R: length 31.2
  Top w0.25: J7.16 57.13,27.15 55.55,28.73 53.75,28.73 U2.19
GPIO16_L: length 14.1
  Top w0.25: 173.01,249.3 176.39,252.68 176.39,258.09 177.85,259.54 J5.10
GPIO16_R: length 16.5
  Top w0.25: U2.21 52.13,12.61 49.2,9.68 44.12,9.68 41.89,7.45 J7.10
GPIO17_L: length 13.8
  Top w0.25: J5.9 178.58,262.08 175.94,259.44 175.94,255 172.78,251.84
GPIO17_R: length 15.2
  Top w0.25: U2.22 44.61,10.13 41.7,10.13 39.35,7.77 J7.9
GPIO18_L: length 10.8
  Top w0.25: 172.78,256.92 177.29,261.43 177.29,263.11 178.81,264.62 179.44,264.62
GPIO18_R: length 14.7
  Top w0.25: U2.24 44.51,11.34 43.75,10.58 39.94,10.58 36.81,7.45 J7.8
GPIO19_L: length 13.9
  Top w0.25: J5.7 178.33,267.16 176.84,265.68 176.84,262.02 174.28,259.46 U1.25
GPIO19_R: length 13.5
  Top w0.25: U2.25 41.97,13.25 37.13,8.41 35.23,8.41 34.27,7.45 J7.7
GPIO20_L: length 14.7
  Top w0.25: J5.6 178.33,269.7 176.39,267.77 176.39,262.84 175.55,262 U1.26
GPIO20_R: length 14.7
  Top w0.25: J7.6 31.73,8.72 32.69,9.68 36.5,9.68 39.43,12.61 U2.26
GPIO21_L: length 14.2
  Top w0.25: J5.5 178.17,272.24 175.94,270.01 175.94,265.91 174.58,264.54 U1.27
GPIO21_R: length 13.9
  Top w0.25: J7.5 29.19,7.45 32.69,10.95 35.23,10.95 36.89,12.61 U2.27
GPIO22_L: length 8.6
  Top w0.25: 179.44,274.78 178.17,274.78 173.01,269.62
GPIO22_R: length 11.4
  Top w0.25: J7.4 26.65,9.95 U2.29
GPIO23_L: length 9.7
  Top w0.25: J5.3 177.06,277.32 174.43,274.7 U1.31
GPIO23_R: length 10.3
  Top w0.25: U2.31 24.11,12.49 J7.3
GPIO24_L: length 9.7
  Top w0.25: U1.32 174.28,277.24 176.9,279.86 J5.2
GPIO24_R: length 10.3
  Top w0.25: U2.32 21.57,12.49 J7.2
GPIO28_L: length 8.5
  Top w0.25: 171.25,282.4 J5.1
GPIO28_R: length 9.2
  Top w0.25: J7.1 19.03,15.03
MISO_L: length 69.8
  Bottom w0.25: 149.92,195.01 149.92,200.18 147.83,202.27 147.83,257.6 149.69,259.46 U1.16
MISO_R: length 114.9
  Bottom w0.25: 146.61,41.46 146.61,37.61 143,34 59.36,34 55.74,37.62 44.12,37.62 41.97,35.47 U2.16
MOSI_L: length 71.9
  Bottom w0.25: U1.15 149.23,262 147.38,260.15 147.38,195.01
MOSI_R: length 144.1
  Top w0.25: 144.06,41.46 141.07,44.45 130.45,44.45 128.82,42.83 128.83,17.83 126.16,15.16 119.82,15.16 ; U2.15 v1(39.43,26.26)
  Bottom w0.25: 119.82,15.16 109.76,15.16 106.35,18.57 46.66,18.57 39.43,25.8 v1(39.43,26.26)
PISO_CS_L: length 117
  Top w0.25: v1(139.47,263.62) 139.43,263.58 UROW2.10 ; v1(139.49,206.26) UROW5.10 ; UROW3.10 139.11,245.26 ; U1.2 140.25,295.02 v1(139.66,294.43) ; v1(139.49,283.26) UROW1.10 ; v1(139.66,226.43) 139.49,226.26 UROW4.10 ; v1(139.38,254.77) 139.38,256.31
  Bottom w0.25: v1(139.66,294.43) 139.49,294.26 v1(139.49,283.26) 139.38,283.15 139.38,265.18 139.42,265.15 139.42,264.54 139.38,264.51 v1(139.38,254.77) 139.38,245.33 v1(139.47,245.24) 139.66,245.05 139.66,206.43 v1(139.49,206.26)
PISO_CS_R: length 113.1
  Top w0.25: v1(60,52.86) 60,54.89 ; UROW6.10 10.83,47.66 v1(11.49,47) 6.41,41.92 U2.2 ; 86.83,49.43 86.83,47.18 v1(87,47) ; v1(30,47) 29.83,47.18 29.83,49.43 ; v1(48,47) 47.83,47.18 UROW8.10 ; UROW9.10 67.83,47.18 v1(68,47)
  Bottom w0.25: v1(11.49,47) v1(30,47) v1(48,47) v1(68,47) v1(87,47) ; 62,47 61,48 61,51.86 v1(60,52.86)
PISO_LATCH_L: length 103.4
  Top w0.25: UROW1.13 135.92,287.07 135.28,286.43 135.28,285.43 ; 135.28,285.43 135.65,285.8 UROW1.12 ; 135.28,285.43 135.28,266.43 ; 135.28,228.43 134.03,227.18 134.03,211.57 135.54,210.07 136.58,210.07 ; 135.28,228.43 135.28,247.43 ; 135.28,228.43 135.65,228.8 UROW4.12 ; 135.28,257.43 134.28,258.43 133.25,258.43 ; 135.28,248.43 135.28,265.43 ; 135.28,248.43 135.28,247.43 ; 135.28,248.43 135.92,249.07 UROW3.13 ; 135.28,265.43 135.97,266.12 UROW2.12 ; 135.28,265.43 135.28,266.43 ; 135.28,229.43 135.92,230.07 UROW4.13 ; 135.28,266.43 136.24,267.39 ; 134.03,212.86 134.03,210.32 135.56,208.8 UROW5.12 ; 135.28,247.43 135.65,247.8 UROW3.12 ; 135.28,258.43 136.28,257.43 Q1.3
PISO_LATCH_R: length 100.2
  Top w0.25: 34,51 33,51 ; 34,51 33.64,50.64 33.64,49.43 ; 34,51 51,51 ; 33,51 32.37,50.37 UROW7.12 ; 33,51 32,52 16,52 15,51 ; 52,51 51.64,50.64 UROW8.13 ; 52,51 51,51 ; 52,51 60,51 ; 71,51 60,51 ; 71,51 72,51 ; 71,51 70.37,50.37 70.37,49.43 ; 60,51 59,52 Q2.3 ; 71.64,49.43 71.64,50.64 72,51 ; UROW10.12 89.37,50.64 89,51 72,51 ; 62,51 63,52 R59.2 ; 51,51 50.37,50.37 UROW8.12 ; 88,51 90,51 90.64,50.37 90.64,49.43 ; 15,51 14.64,50.64 14.64,49.43 ; 15,51 14.37,51 13.37,50
REGISTER_MISO_L: length 17.7
  Top w0.25: U1.6 145.09,284.86 142.22,281.99 UROW1.9
REGISTER_MISO_R: length 20
  Top w0.25: v1(9.5,46.5) 9.5,49.37 ; v1(13,43) 16.57,39.43 U2.6
  Bottom w0.25: v1(9.5,46.5) 9.5,45.5 12,43 v1(13,43)
REGISTER_MOSI_L: length 59.9
  Top w0.25: v1(160.66,235.68) 161.56,234.78 161.56,232.32 162.55,231.34
  Bottom w0.25: U1.5 156.89,283.9 156.89,245.2 160.66,241.43 v1(160.66,235.68)
REGISTER_MOSI_R: length 59.4
  Top w0.25: v1(69.55,30) 70.1,29.45 USIPO2.14 ; v1(17.45,30) 16.92,30 U2.5
  Bottom w0.25: v1(69.55,30) v1(17.45,30)
REGISTER_SCK_L: length 154.7
  Top w0.25: 160.66,226.43 160.66,232.85 158.08,235.43 140.22,235.43 v1(138.66,236.99) ; 160.66,226.43 161.76,227.53 162.96,227.53 ; 160.66,226.43 160.66,213.82 162.96,211.53 ; UROW2.11 v1(138.7,264.85) ; v1(138.57,227.53) UROW4.11 ; v1(138.66,246.43) 138.57,246.53 UROW3.11 ; v1(138.76,289.34) 139.36,289.94 U1.4 ; v1(138.76,284.53) UROW1.11 ; UROW5.11 138.57,207.53 v1(138.66,207.43)
  Bottom w0.25: v1(138.66,207.43) 138.66,264.81 v1(138.7,264.85) 138.66,264.88 138.66,284.43 v1(138.76,284.53) v1(138.76,289.34)
REGISTER_SCK_R: length 145.7
  Top w0.25: v1(32,46) 31.1,46.91 31.1,49.43 ; v1(70,46) 69.1,46.91 69.1,49.43 ; USIPO3.11 89.91,44.1 v1(88,46) 88.1,46.1 88.1,49.43 ; U2.4 11.49,43.49 v1(14,46) 12.1,47.91 12.1,49.43 ; v1(50,46) 49.1,46.91 49.1,49.43 ; 89.91,27.3 87.16,24.55 75.45,24.55 73.91,26.1 USIPO2.11
  Bottom w0.25: v1(14,46) v1(88,46)
RGB7_OUT_L: length 13.9
  Bottom w0.25: 86.81,261.43 81.28,261.43 79.53,263.18 73.59,263.18
RGB7_OUT_R: length 13.9
  Bottom w0.25: 38,138 38,143.4 39.75,145.15 39.75,151.15
RGB15_OUT_L: length 13.7
  Bottom w0.25: 35.59,244.18 41.53,244.18 43.11,242.6 48.64,242.6
RGB15_OUT_R: length 13.9
  Bottom w0.25: 57,100 57,105.4 58.75,107.15 58.75,113.15
